# Altium PCB 4层.PcbDoc (part 1 of 2) (continued)
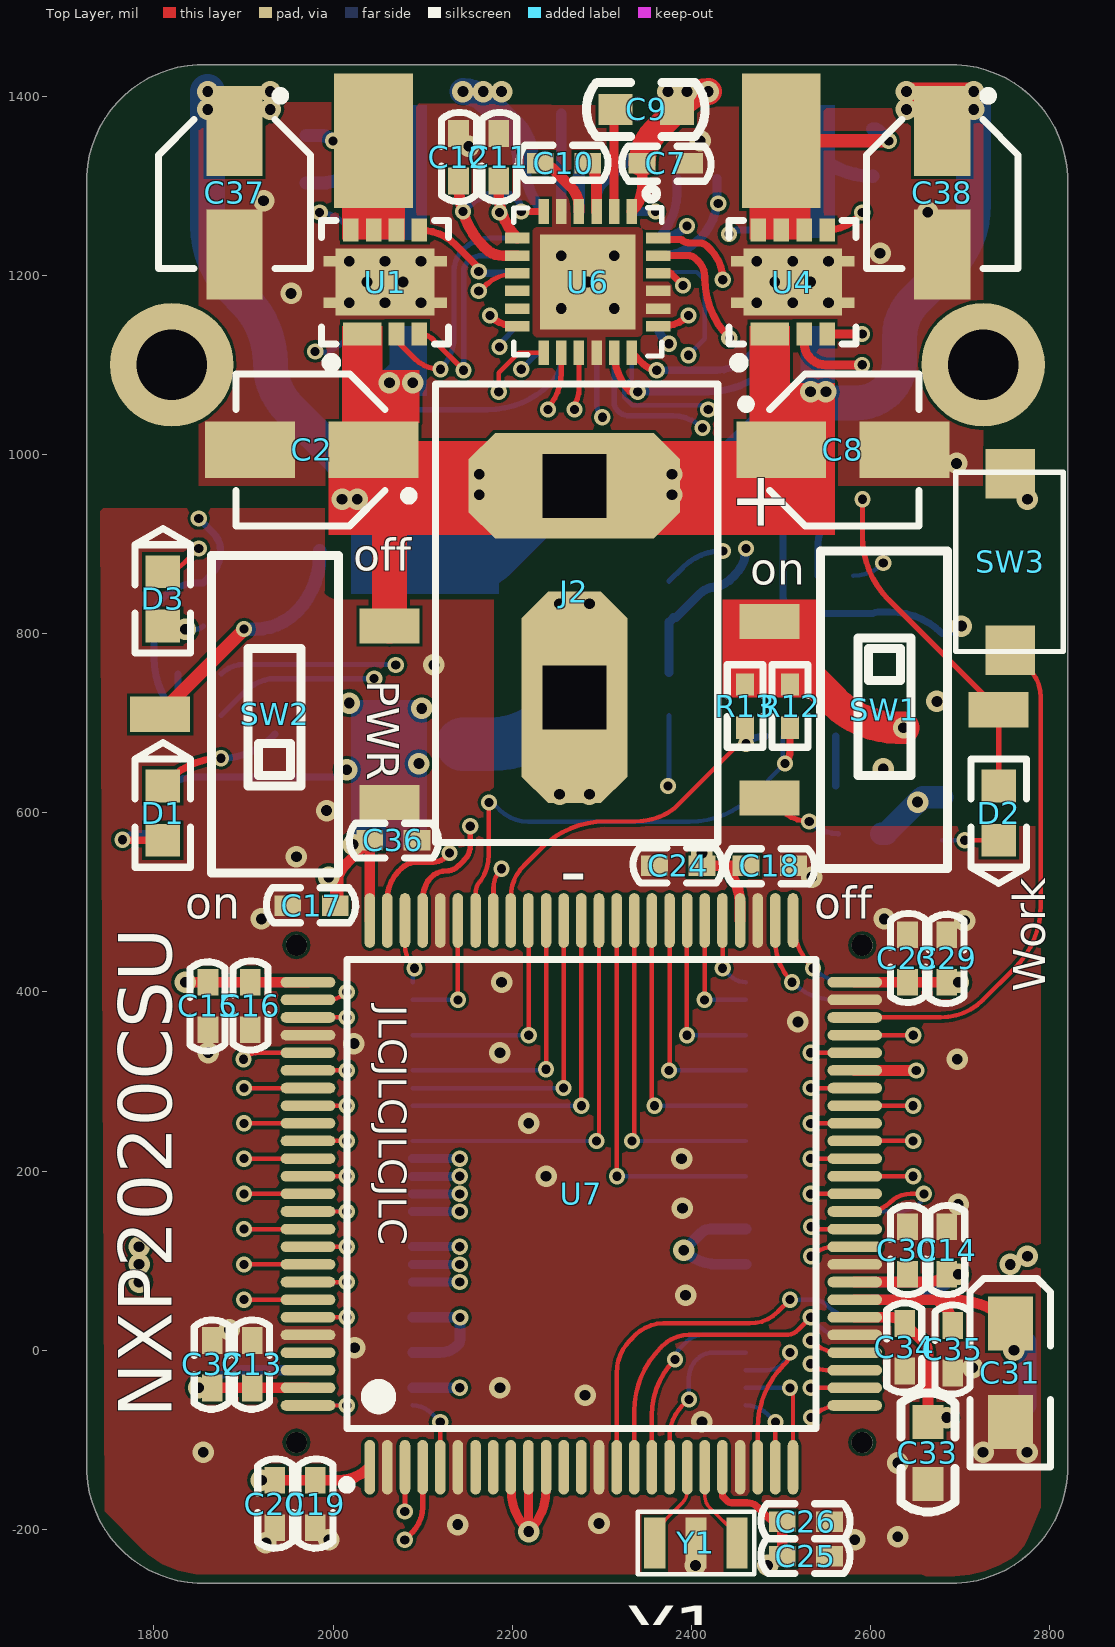
[diagram p0: Top Layer view]
## Components (designator, comment, footprint, x,y, rotation, side; value= is the part's Value field where it differs from the comment)
C1 "104" C0402 2165,1328.15 r0 bottom value=22pF
C2 "电解电容" "贴片电解 4*5.4" 1976.31,1005 r180 top
C3 "105" C0603 2185.73,1380 r0 bottom value=22pF
C4 "104" C0402 2333.14,1331.3 r180 bottom value=22pF
C5 "105" C0402 2383.72,1358.15 r270 bottom value=22pF
C6 "105" C0402 2428.72,1358.15 r270 bottom value=22pF
C7 "104" C0402 2395,1325 r180 top value=22pF
C8 "电解电容" "贴片电解 4*5.4" 2569.1,1005 r0 top
C9 "105" C0603 2384,1385 r180 top value=22pF
C10 "104" C0402 2234.23,1325 r0 top value=22pF
C11 "105" C0402 2185,1355 r270 top value=22pF
C12 "105" C0402 2140,1355 r270 top value=22pF
C13 "103" C0402 1910,-38.85 r90 top value=22pF
C14 "103" C0402 2685.08,135 r270 top value=22pF
C15 "104" C0402 1860.42,360.91 r90 top value=22pF
C16 "104" C0402 1907.41,407.91 r270 top value=22pF
C17 "103" C0402 1952.42,496.37 r0 top value=22pF
C18 "104" C0402 2510.85,540.81 r180 top value=22pF
C19 "104" C0402 1980,-148 r270 top value=22pF
C20 "103" C0402 1935,-148 r270 top value=22pF
C21 "104" C0402 2145,814.49 r90 bottom value=22pF
C22 "106" 3216-ce 2065,595 r0 bottom value=100pF
C23 "103" C0402 2641.14,460.91 r270 top value=22pF
C24 "104" C0402 2361.75,540.81 r0 top value=22pF
C25 "104" C0402 2504.29,-230 r0 top value=22pF
C26 "103" C0402 2504.29,-191.18 r0 top value=22pF
C29 "104" C0402 2685.08,413.91 r90 top value=22pF
C30 "104" C0402 2641.14,135 r270 top value=22pF
C31 "106" 3216-ce 2755.94,30 r90 top value=100pF
C32 "103" C0402 1865,-38.85 r90 top value=22pF
C33 "225" C0603 2663.98,-149 r90 top value=22pF
C34 "104" C0402 2638,-20 r90 top value=22pF
C35 "104" C0402 2691.79,-22.17 r90 top value=22pF
C36 "103" C0402 2090.87,569.37 r180 top value=22pF
C37 "电解电容" "贴片电解 4*5.4" 1890,1291.95 r270 top
C38 "电解电容" "贴片电解 4*5.4" 2680,1291.95 r270 top
C39 "104" C0402 1970,1305.97 r90 bottom value=22pF
C40 "104" C0402 2602.45,1313.25 r90 bottom value=22pF
C41 "2.2nF" C0402 2564.07,630 r0 bottom value=22pF
C42 "104" C0402 2680,750 r90 bottom value=22pF
C43 "104" C0402 2551.39,928 r90 bottom value=22pF
C44 "103" C0402 2500.2,928 r90 bottom value=22pF
D1 "LED" "LED 0603G" 1810,599.68 r270 top
D2 "LED" "LED 0603G" 2742.94,599.68 r90 top
D3 "LED" "LED 0603G" 1810,838.74 r270 top
J1 "PIN-50" 50PDF12-0.5ĸ 2018.04,174.68 r270 bottom
J2 "干电池" T接头 2269.38,728.78 r180 top
J3 "PIN-50" 50PDF12-0.5ĸ 2531.65,174.68 r90 bottom
R1 "1k" R0402 2611.99,576.8 r180 bottom value=150R
R2 "10K" R0402 1810,625 r270 bottom value=150R
R3 "0" R0603 2145,745.47 r270 bottom value=150R
R4 "10" R0603 2775,-61.51 r180 bottom value=150R
R5 "10" R0603 2775,79 r270 bottom value=150R
R6 "1k" R0402 2680,569.37 r90 bottom value=150R
R7 "1k" R0402 1855,808.42 r90 bottom value=150R
R8 "10k" R0402 2375,708.63 r90 bottom value=150R
R9 "10k" R0402 2375,858.53 r270 bottom value=150R
R10 "10k" R0402 1875,755 r180 bottom value=150R
R11 "10k" R0402 1875,708.63 r180 bottom value=150R
R12 "4.7k" R0402 2510,743.2 r270 top value=150R
R13 "4.7k" R0402 2460,743.2 r270 top value=150R
SW1 "K3-1235S-K1" K3-1235S-K1 2615,715 r270 top
SW2 "K3-1235S-K1" K3-1235S-K1 1935,710 r90 top
SW3 "SW" 按键微动开关2 2755,880 r90 top
U1 "CSD87330Q3D" LSON-CLIP-8 2058,1192.39 r0 top
U2 "CSD87330Q3D" LSON-CLIP-8 2058,1192.39 r180 bottom
U3 "DRV8701ERGET" VQFN-24_24PIN-L4.00-W4.00-PITCH0.50-EP-TL 2284.27,1192.36 r270 bottom
U4 "CSD87330Q3D" LSON-CLIP-8 2513,1192.39 r0 top
U5 "CSD87330Q3D" LSON-CLIP-8 2513,1192.39 r180 bottom
U6 "DRV8701ERGET" VQFN-24_24PIN-L4.00-W4.00-PITCH0.50-EP-TL 2284.27,1192.36 r270 top
U7 "LPC54606" LQFP100 2277.12,174.68 r90 top
U8 "TPS76833QDR" SOIC8-3.9MM 2010,790 r270 bottom
U9 "MPU6050" QFN-24_4x4x05P 2531.55,775 r90 bottom
Y1 "圆柱晶振" OSC-3213CSTSE800G52-R0 2405,-215 r0 top

## Footprints (in the part's own frame and the unit in brackets; to place one, negate y for a bottom-side part, rotate by r counter-clockwise, add the part's x,y. Pads: shape width x height; smd on the part's side, far side on the other; paste and mask are expansions set on the pad)
50PDF12-0.5ĸ [mil]
  rect 11.7x62.9 smd: 1(236.2,-70.8) 2(216.5,-70.8) 3(196.8,-70.8) 4(177.1,-70.8) 5(157.4,-70.8) 6(137.7,-70.8) 7(118.1,-70.8) 8(98.4,-70.8) 9(78.7,-70.8) 10(59,-70.8) 11(39.3,-70.8) 12(19.6,-70.8) 13(0,-70.8) 14(-19.6,-70.8) 15(-39.3,-70.8) 16(-59,-70.8) 17(-78.7,-70.8) 18(-98.4,-70.8) 19(-118.1,-70.8) 20(-137.7,-70.8) 21(-157.4,-70.8) 22(-177.1,-70.8) 23(-196.8,-70.8) 24(-216.5,-70.8) 25(-236.2,-70.8) 26(-236.2,70.8) 27(-216.5,70.8) 28(-196.8,70.8) 29(-177.1,70.8) 30(-157.4,70.8) 31(-137.7,70.8) 32(-118.1,70.8) 33(-98.4,70.8) 34(-78.7,70.8) 35(-59,70.8) 36(-39.3,70.8) 37(-19.6,70.8) 38(0,70.8) 39(19.6,70.8) 40(39.3,70.8) 41(59,70.8) 42(78.7,70.8) 43(98.4,70.8) 44(118.1,70.8) 45(137.7,70.8) 46(157.4,70.8) 47(177.1,70.8) 48(196.8,70.8) 49(216.5,70.8) 50(236.2,70.8)
  rect 31.4x70.7 smd: ""(-305.1,-0.1) ""(305.1,-0.1)
  round 23.6 hole 23.6: ""(-277.5,58.9) ""(277.5,58.9)
  silkscreen extent -291,-75 292,75
3216-ce [mil]
  rect 60x50 smd: 1(0,0) 2(-110,0)
  silkscreen extent -160,-45 50,45, body extent -122,-31 12,35, height 67
C0402 [mil]
  rect 30x23 smd: 1(-3,0) 2(50,0)
  silkscreen extent -27,-19 73,20, body extent 2,-10 42,10, height 20
C0603 [mil]
  rect 38x35 smd: 1(0,0) 2(69,0)
  silkscreen extent -31,-30 101,30, body extent 4,-16 67,16, height 12
K3-1235S-K1 [mm]
  rect 1x1.7 smd: 1(-2.5,-3.25) 2(-0.002,3.25) 3(2.5,-3.25)
  silkscreen extent -4.5,-1.8 4.5,1.8
"LED 0603G" [mm] "绿色0603LED"
  rect 0.93x0.98 smd: A(0.77,0) K(-0.77,0)
  silkscreen extent -2,-0.79 1.53,0.79, body extent -0.8,-0.4 0.8,0.4, height 0.61
LQFP100 [mm] "100-pin low-profile quad flat"
  oval 1.55x0.3 smd: 1(-7.75,6) 2(-7.75,5.5) 3(-7.75,5) 4(-7.75,4.5) 5(-7.75,4) 6(-7.75,3.5) 7(-7.75,3) 8(-7.75,2.5) 9(-7.75,2) 10(-7.75,1.5) 11(-7.75,1) 12(-7.75,0.5) 13(-7.75,0) 14(-7.75,-0.5) 15(-7.75,-1) 16(-7.75,-1.5) 17(-7.75,-2) 18(-7.75,-2.5) 19(-7.75,-3) 20(-7.75,-3.5) 21(-7.75,-4) 22(-7.75,-4.5) 23(-7.75,-5) 24(-7.75,-5.5) 25(-7.75,-6) 51(7.75,-6) 52(7.75,-5.5) 53(7.75,-5) 54(7.75,-4.5) 55(7.75,-4) 56(7.75,-3.5) 57(7.75,-3) 58(7.75,-2.5) 59(7.75,-2) 60(7.75,-1.5) 61(7.75,-1) 62(7.75,-0.5) 63(7.75,0) 64(7.75,0.5) 65(7.75,1) 66(7.75,1.5) 67(7.75,2) 68(7.75,2.5) 69(7.75,3) 70(7.75,3.5) 71(7.75,4) 72(7.75,4.5) 73(7.75,5) 74(7.75,5.5) 75(7.75,6)
  oval 0.3x1.55 smd: 26(-6,-7.75) 27(-5.5,-7.75) 28(-5,-7.75) 29(-4.5,-7.75) 30(-4,-7.75) 31(-3.5,-7.75) 32(-3,-7.75) 33(-2.5,-7.75) 34(-2,-7.75) 35(-1.5,-7.75) 36(-1,-7.75) 37(-0.5,-7.75) 38(0,-7.75) 39(0.5,-7.75) 40(1,-7.75) 41(1.5,-7.75) 42(2,-7.75) 43(2.5,-7.75) 44(3,-7.75) 45(3.5,-7.75) 46(4,-7.75) 47(4.5,-7.75) 48(5,-7.75) 49(5.5,-7.75) 50(6,-7.75) 76(6,7.75) 77(5.5,7.75) 78(5,7.75) 79(4.5,7.75) 80(4,7.75) 81(3.5,7.75) 82(3,7.75) 83(2.5,7.75) 84(2,7.75) 85(1.5,7.75) 86(1,7.75) 87(0.5,7.75) 88(0,7.75) 89(-0.5,7.75) 90(-1,7.75) 91(-1.5,7.75) 92(-2,7.75) 93(-2.5,7.75) 94(-3,7.75) 95(-3.5,7.75) 96(-4,7.75) 97(-4.5,7.75) 98(-5,7.75) 99(-5.5,7.75) 100(-6,7.75)
  silkscreen extent -8.37,-6.65 6.65,6.77, body extent -8,-8 8,8, height 1.6
LSON-CLIP-8 [mm] "半桥NMOS"
  rect 1.09x0.65 smd: 1(-0.65,-1.475)
  rect 0.44x0.65 smd: 3(0.325,-1.475) 4(0.975,-1.475) 5(0.975,1.475) 6(0.325,1.475) 7(-0.325,1.475) 8(-0.975,1.475)
  rect 3.5x0.3 smd: 9(0,-0.59) 9(0,0.59)
  rect 2.8x1.9 smd: 9(0,0)
  silkscreen extent -1.8,-2.41 1.8,1.75, body extent -1.7,-1.7 1.7,1.7, height 1.6
OSC-3213CSTSE800G52-R0 [mm]
  rect 0.6x1.45 smd: 1(-1.168,0) 2(1.168,0) 3(0,0)
  silkscreen extent -1.65,-0.89 1.65,0.89, body extent -1.61,-0.76 1.59,0.76, height 0.7
QFN-24_4x4x05P [mm]
  oval 0.28x1.2 smd mask+0.051: 1(-1.25,-2.273) 2(-0.75,-2.273) 3(-0.25,-2.273) 4(0.25,-2.273) 5(0.75,-2.273) 6(1.25,-2.273) 13(1.25,2.273) 14(0.75,2.273) 15(0.25,2.273) 16(-0.25,2.273) 17(-0.75,2.273) 18(-1.25,2.273)
  oval 1.2x0.28 smd mask+0.051: 7(2.273,-1.25) 8(2.273,-0.75) 9(2.273,-0.25) 10(2.273,0.25) 11(2.273,0.75) 12(2.273,1.25) 19(-2.273,1.25) 20(-2.273,0.75) 21(-2.273,0.25) 22(-2.273,-0.25) 23(-2.273,-0.75) 24(-2.273,-1.25)
  silkscreen extent -2.15,-2.72 2.15,2.15, body extent -2,-2 2,2, height 0.9
R0402 [mil] "1/16W"
  rect 25x20 smd: 1(0,0) 2(48.2,0)
  silkscreen extent -22,-20 70,20, body extent 5,-10 44,10, height 14
R0603 [mil] "1/10W"
  rect 38x35 smd: 1(0,0) 2(69,0)
  silkscreen extent -30,-31 99,30, body extent 4,-16 66,16, height 18
SOIC8-3.9MM [mm]
  oval 1.6x0.6 smd: 1(-2.6,1.905) 2(-2.6,0.635) 3(-2.6,-0.635) 4(-2.6,-1.905) 5(2.6,-1.905) 6(2.6,-0.635) 7(2.6,0.635) 8(2.6,1.905)
  silkscreen extent -3.05,-2.4 1.5,2.85, body extent -3,-2.5 3,2.5, height 1.6
T接头 [mm]
  oct 6x3 hole 1.8 square: 1(0,-6)
  oct 3x6 hole 1.8 square: 2(0,0)
  silkscreen extent -4.06,-8.89 3.94,4.11
VQFN-24_24PIN-L4.00-W4.00-PITCH0.50-EP-TL [mm]
  rect 0.7x0.3 smd: 1(-2,1.25) 2(-2,0.75) 3(-2,0.25) 4(-2,-0.25) 5(-2,-0.75) 6(-2,-1.25) 13(2,-1.25) 14(2,-0.75) 15(2,-0.25) 16(2,0.25) 17(2,0.75) 18(2,1.25)
  rect 0.3x0.7 smd: 7(-1.25,-2) 8(-0.75,-2) 9(-0.25,-2) 10(0.25,-2) 11(0.75,-2) 12(1.25,-2) 19(1.25,2) 20(0.75,2) 21(0.25,2) 22(-0.25,2) 23(-0.75,2) 24(-1.25,2)
  rect 2.7x2.7 smd: 25(-0.001,-0.001)
  silkscreen extent -2.65,-2.1 2.1,2.1
按键微动开关2 [mm]
  rect 1.4x1.4 smd: 1(-2.5,-0.024) 2(2.5,-0.024)
  silkscreen extent -2.54,-1.52 2.54,1.52, body extent -2.5,-1.52 2.5,1.48, height 2.1
"贴片电解 4*5.4" [mm] "贴片电解 4*5.4"
  rect 2.55x1.6 smd: 1(-1.75,0) 2(1.75,0)
  silkscreen extent -2.88,-2.15 2.15,2.15

## Part data
C1 C3 C4 C5 C6 C7 C9 C10 C11 C12 C13 C14 C15 C16 C17 C18 C19 C20 C21 C23 C24 C25 C26 C29 C30 C32 C33 C34 C35 C36 C39 C40 C41 C42 C43 C44: library part 电容, "Capacitor", LatestRevisionDate=17-Jul-2002, LatestRevisionNote="Re-released for DXP Platform.", PackageDescription="Radial Cap, Thru-Hole; 2 Leads; 0.3 in Pin Spacing", PackageReference=RAD-0.3, Published=8-Jun-2000, Publisher="Altium Limited"
C2 C8 C37 C38: "Polarized Capacitor (Axial)"
C22 C31: library part 电解电容, "Polarized Capacitor (Axial)", LatestRevisionDate=17-Jul-2002, LatestRevisionNote="Re-released for DXP Platform.", PackageDescription="Polarized Capacitor; 2 Leads", PackageReference=POLAR0.8, Published=8-Jun-2000, Publisher="Altium Limited"
J2: "Battery"
R1 R2 R3 R4 R5 R6 R7 R8 R9 R10 R11 R12 R13: library part 电阻, "Resistor", LatestRevisionDate=17-Jul-2002, LatestRevisionNote="Re-released for DXP Platform.", PackageDescription="Axial Device, Thru-Hole; 2 Leads; 0.3 in Pin Spacing", PackageReference=AXIAL-0.3, Published=8-Jun-2000, Publisher="Altium Limited"
SW1 SW2: library part 单刀双掷, "Switch"
SW3: library part Switch, "Single-Pole, Single-Throw Switch"
U1 U2 U4 U5: "半桥NMOS"
U3 U6: library part DRV8701, "H桥驱动", BOM_Manufacturer=TI, BOM_Manufacturer Part=DRV8701ERGET, BOM_Supplier=LCSC, BOM_Supplier Part=C132049, Contributor=LCSC, spicePre=U
U7: library part LPC54606BD100
U8: BOM_LCSC Assembly=Yes, BOM_Manufacturer=TI, BOM_Manufacturer Part=TPS76833QDR, BOM_Supplier=LCSC, BOM_Supplier Part=C16002, image=//image.lceda.cn/szlcsc/C16002.jpg, SMT Type=Extend, spicePre=U, spiceSymbolName=TPS76833QDR
Y1: library part XTAL_3Pin

## Free pads (board coordinates)
  round 137.8 hole 78.74: 0(1820,1100) 0(2725.49,1100)
  rect 88x150 smd: *(2045.2,1350) *(2500.2,1350)
  rect 88x150 smd far side: *(2070.8,1350) *(2525.8,1350)
  rect 66x66 smd far side: *(2531.55,775)

## Via types
v1: diameter 24, hole 12, Top Layer to Bottom Layer, tented both sides, 137 vias
v2: diameter 18.11, hole 10.24, Top Layer to Bottom Layer, tented both sides, 122 vias
v3: diameter 17.72, hole 10.24, Top Layer to Bottom Layer, tented both sides, 4 vias

## Nets (pads, with @x,y where several pads share a name; then routed paths per layer and width w, separated by ;. In a path a pad name is that pad's centre, name@x,y a point inside that pad or via, vN(x,y) a via of type N, cw(c..) or ccw(c..) an arc to the next point about the centre after c; other vN are vias at no path point)
\RST: SW3.1 U7.48 | length 573.4
  Top Layer w5: U7.48@2582.24,371.54 2677.97,371.54 ccw(c2677.97,438.74) 2725.49,391.22 2760.71,426.44 ccw(c2690,497.15) 2790,497.15 2790,728.78 ccw(c2744.76,728.78) 2776.75,760.77 SW3.1@2755.94,781.57
\SLEEP: D2.A SW1.2 U3.13 U6.13 | length 1063.5
  Top Layer w5: v2(2185,1070) 2185,1091.29 2207.33,1113.62 U6.13@2235.05,1113.62
  Top Layer w6: v2(2590.86,950) 2590.86,908.56 ccw(c2690.86,908.56) 2620.15,837.85 SW1.2@2742.94,715.06 D2.A@2742.94,630
  POW w5: v2(2185,1070) 2305,1070 2325,1050 v2(2418.83,1050) 2449.44,1050 cw(c2449.44,950) 2520.15,1020.71 v2(2590.86,950)
  Bottom Layer w5: U3.13@2333.48,1113.62 2333.48,1084.77 2324.94,1076.24 2324.94,1063.76 2333.76,1054.94 2413.88,1054.94 v2(2418.83,1050)
A0: J1.43 U7.93 | length 111.3
  Top Layer w5: U7.93@1972.01,76.26 v2(2015.27,76.26)
  Bottom Layer w5: J1.43@1947.24,76.28 v2@2015.24,76.28
A1: J1.50 U7.100 | length 111.3
  Top Layer w5: U7.100@1972.01,-61.54 v2(2015.27,-61.54)
  Bottom Layer w5: J1.50@1947.24,-61.51 v2@2015.25,-61.51
A2: J1.33 U7.83 | length 111.3
  Top Layer w5: U7.83@1972.01,273.11 v2(2015.27,273.11)
  Bottom Layer w5: J1.33@1947.27,273.11 v2(2015.27,273.11)
A3: J1.35 U7.85 | length 111.3
  Top Layer w5: U7.85@1972.01,233.74 v2(2015.27,233.74)
  Bottom Layer w5: J1.35@1947.24,233.68 2015.21,233.68 v2(2015.27,233.74)
A4: J1.37 U7.87 | length 111.3
  Top Layer w5: U7.87@1972.01,194.37 v2(2015.27,194.37)
  Bottom Layer w5: J1.37@1947.24,194.28 1947.33,194.37 v2(2015.27,194.37)
A5: J1.39 U7.89 | length 111.3
  Top Layer w5: U7.89@1972.01,155 v2(2015.27,155)
  Bottom Layer w5: J1.39@1947.24,155.09 2015.18,155.09 v2(2015.27,155)
A6: J1.40 U7.90 | length 118.3
  Top Layer w5: v2(1900.48,135.39) 1971.93,135.39 U7.90@1972.01,135.31
  Bottom Layer w5: v2(1900.48,135.39) J1.40@1947.24,135.39
A7: J3.12 U7.61 | length 433.2
  Top Layer w5: U7.61@2316.49,479.8 2316.49,200.9 cw(c2307.26,200.9) 2313.79,194.37 v2(2316.99,194.37)
  Bottom Layer w5: v2(2316.99,194.37) 2460.76,194.37 J3.12@2460.85,194.28
A8: J1.19 U7.64 | length 355.5
  Top Layer w5: v2(2257.24,292.78) 2257.24,479.6 U7.64@2257.44,479.8
  Bottom Layer w5: J1.19@2088.84,292.78 v2(2257.24,292.78)
A9: J1.20 U7.65 | length 315.3
  Top Layer w5: v2(2237.75,313.8) U7.65@2237.75,479.8
  Bottom Layer w5: J1.20@2088.84,312.39 2234.33,312.39 ccw(c2234.33,317.23) v2(2237.75,313.8)
A10: J3.23 U7.23 | length 196.3
  Top Layer w5: U7.23@2473.97,-130.43 2473.97,-86.74 cw(c2573.97,-86.74) 2503.26,-16.03 2505.19,-14.1 ccw(c2493.56,-2.48) v2(2510,-2.48)
  Bottom Layer w5: J3.23@2460.85,-22.11 2484.84,-22.11 ccw(c2484.84,2.18) 2502.02,-15 2506.79,-10.23 ccw(c2499.04,-2.48) v2(2510,-2.48)
A15: J3.26 U7.26 | length 124.8
  Top Layer w5: v2(2533.53,-75) cw(c2566.04,-107.51) 2566.04,-61.54 U7.26@2582.24,-61.54
  Bottom Layer w5: v2(2533.53,-75) cw(c2566.08,-107.56) 2566.08,-61.51 J3.26@2602.45,-61.51
A16: J3.27 U7.27 | length 118.5
  Top Layer w5: v2(2533.12,-41.85) U7.27@2582.24,-41.85
  Bottom Layer w5: v2(2533.12,-41.85) 2602.41,-41.85 J3.27@2602.45,-41.82
A17: J1.24 U7.70 | length 139.1
  Top Layer w5: v2(2139.33,391.22) U7.70@2139.33,479.8
  Bottom Layer w5: J1.24@2088.84,391.18 2088.88,391.22 v2(2139.33,391.22)
A19: J1.41 U7.91 | length 111.3
  Top Layer w5: U7.91@1972.01,115.63 v2(2015.27,115.63)
  Bottom Layer w5: J1.41@1947.24,115.68 2015.21,115.68 v2(2015.27,115.63)
A21: J1.27 U7.77 | length 115.8
  Top Layer w5: U7.77@1972.01,391.22 1993.98,391.22 ccw(c1993.98,421.2) v2(2015.17,400)
  Bottom Layer w5: J1.27@1947.24,391.18 1993.89,391.18 ccw(c1993.89,421.28) v2(2015.17,400)
A22: J1.30 U7.80 | length 123.1
  Top Layer w5: v2(1900,325) cw(c1917.3,307.7) 1917.3,332.17 U7.80@1972.01,332.17
  Bottom Layer w5: v2(1900,325) cw(c1917.1,307.9) 1917.1,332.09 J1.30@1947.24,332.09
A23: J3.35 U7.35 | length 123.3
  Top Layer w5: v2(2533.53,105) cw(c2559.19,79.34) 2559.19,115.63 U7.35@2582.24,115.63
  Bottom Layer w5: v2(2533.53,105) cw(c2559.32,79.2) 2559.32,115.68 J3.35@2602.45,115.68
A24: J3.38 U7.38 | length 118.7
  Top Layer w5: v2(2533,174.68) U7.38@2582.24,174.68
  Bottom Layer w5: v2(2533,174.68) J3.38@2602.45,174.68
A25: J3.40 U7.40 | length 118.7
  Top Layer w5: v2(2533,213.99) 2582.17,213.99 U7.40@2582.24,214.06
  Bottom Layer w5: v2(2533,213.99) J3.40@2602.45,213.99
A26: J3.2 U7.56 | length 134.9
  Top Layer w5: v2(2414.66,391.22) 2414.92,391.48 U7.56@2414.92,479.8
  Bottom Layer w5: v2(2414.66,391.22) J3.2@2460.85,391.18 J3.2@2460.85,391.18
A27: J3.42 U7.42 | length 118.5
  Top Layer w5: v2(2533.08,253.39) v2(2533.08,253.39) U7.42@2582.24,253.43
  Bottom Layer w5: v2(2533.08,253.39) J3.42@2602.45,253.39
A28: J3.44 U7.44 | length 118.5
  Top Layer w5: v2(2533.08,292.78) U7.44@2582.24,292.8
  Bottom Layer w5: v2(2533.08,292.78) J3.44@2602.45,292.78
A29: J1.32 U7.82 | length 118.3
  Top Layer w5: v2(1900.48,292.78) U7.82@1972.01,292.8
  Bottom Layer w5: v2(1900.48,292.78) J1.32@1947.24,292.78
A30: J1.45 U7.95 | length 111.3
  Top Layer w5: U7.95@1972.01,36.89 v2(2015.27,36.89)
  Bottom Layer w5: J1.45@1947.24,36.99 1947.34,36.89 v2(2015.27,36.89)
A31: J3.28 U7.28 | length 122.5
  Top Layer w5: v2(2533,-15) ccw(c2550.3,2.3) 2550.3,-22.17 U7.28@2582.24,-22.17
  Bottom Layer w5: v2(2533,-15) ccw(c2550.18,2.18) 2550.18,-22.12 J3.28@2602.45,-22.11
B0: J3.29 U7.29 | length 126
  Top Layer w5: v2(2533,11.15) ccw(c2565.91,44.06) 2565.91,-2.48 U7.29@2582.24,-2.48
  Bottom Layer w5: v2(2533,11.15) ccw(c2565.75,43.9) 2565.75,-2.41 J3.29@2602.45,-2.41
B1: J3.1 U7.55 | length 84.8
  Top Layer w5: U7.55@2434.6,479.8 2434.84,479.57 v2(2434.84,426.44)
  Bottom Layer w5: v2(2434.84,426.44) 2435.37,425.91 2443,418.27 ccw(c2460.85,436.13) J3.1@2460.85,410.89
B2: J3.6 U7.58 | length 253.4
  Top Layer w5: v2(2375,312.48) ccw(c2373.68,313.8) 2375.55,313.8 U7.58@2375.55,479.8
  Bottom Layer w5: v2(2375,312.48) 2460.75,312.48 J3.6@2460.85,312.39
B3: J3.10 U7.60 | length 373.8
  Top Layer w5: v2(2333.76,233.74) ccw(c2327.94,239.57) 2336.18,239.57 U7.60@2336.18,479.8
  Bottom Layer w5: v2(2333.76,233.74) v2(2333.76,233.74) J3.10@2460.85,233.68
B6: J3.31 U7.15 | length 437
  Top Layer w5: U7.15@2316.49,-130.43 2316.49,-25.17 cw(c2368.22,-25.17) 2331.63,11.39 2337.44,17.2 cw(c2368.35,-13.71) 2368.35,30.01 2465,30.01 ccw(c2465,74.49) 2496.45,43.04 v2(2510,56.59)
  Bottom Layer w5: v2(2510,56.59) 2536.44,56.59 cw(c2536.44,36.41) 2550.7,50.68 2551.39,50 ccw(c2582.81,81.42) 2582.81,36.98 J3.31@2602.45,36.99
B7: J3.22 U7.18 | length 186.8
  Top Layer w5: U7.18@2375.55,-130.43 2375.55,-96.43 cw(c2424.89,-96.43) 2390,-61.54 2396.1,-55.44 cw(c2397.15,-56.49) v2(2397.15,-55)
  Bottom Layer w5: v2(2397.15,-55) 2397.15,-30.88 cw(c2426.35,-30.88) 2405.71,-10.23 cw(c2424.56,-29.09) 2424.56,-2.41 J3.22@2460.85,-2.41
B8: J3.36 U7.36 | length 118.9
  Top Layer w5: v2(2533.61,138) ccw(c2540.09,144.48) 2540.09,135.31 U7.36@2582.24,135.31
  Bottom Layer w5: v2(2533.61,138) ccw(c2539.92,144.31) 2539.92,135.39 J3.36@2602.45,135.39
B9: J3.39 U7.39 | length 110.3
  Top Layer w5: U7.39@2582.24,194.37 v2(2647.46,194.37)
  Bottom Layer w5: J3.39@2602.45,194.28 2602.49,194.33 2647.42,194.33 v2(2647.46,194.37)
B10: J3.41 U7.41 | length 110.3
  Top Layer w5: U7.41@2582.24,233.74 v2(2647.46,233.74)
  Bottom Layer w5: J3.41@2602.47,233.71 v2@2647.43,233.71
B11: J1.44 U7.94 | length 118.3
  Top Layer w5: v2(1900.48,56.59) U7.94@1972.01,56.57
  Bottom Layer w5: v2(1900.48,56.59) J1.44@1947.24,56.59
B12: J1.16 U7.62 | length 452.1
  Top Layer w5: v2(2294.11,233.74) ccw(c2287.6,240.25) 2296.81,240.25 U7.62@2296.81,479.8
  Bottom Layer w5: J1.16@2088.84,233.68 v2(2294.11,233.74) v2(2294.11,233.74)
B13: J1.22 U7.66 | length 257.7
  Top Layer w5: U7.66@2218.07,479.8 2218.4,479.48 v2(2218.4,351.78)
  Bottom Layer w5: J1.22@2088.84,351.78 v2(2218.4,351.78)
B14: J1.28 U7.78 | length 111.3
  Top Layer w5: U7.78@1972.01,371.54 v2(2015.27,371.54)
  Bottom Layer w5: J1.28@1947.24,371.49 2015.22,371.49 v2(2015.27,371.54)
B15: J1.34 U7.84 | length 118.3
  Top Layer w5: v2(1900.48,253.39) U7.84@1972.01,253.43 U7.84@1972.01,253.43
  Bottom Layer w5: v2(1900.48,253.39) J1.34@1947.24,253.39
B16: J1.38 U7.88 | length 118.3
  Top Layer w5: v2(1900.48,174.68) U7.88@1972.01,174.68
  Bottom Layer w5: v2(1900.48,174.68) J1.38@1947.24,174.68
B17: J3.47 U7.47 | length 110.4
  Top Layer w5: U7.47@2582.24,351.85 2647.46,351.85 v2(2647.53,351.78)
  Bottom Layer w5: J3.47@2602.45,351.78 v2(2647.53,351.78)
B18: J1.1 U7.5 | length 87.6
  Top Layer w5: U7.5@2119.64,-130.43 v2(2119.64,-80)
  Bottom Layer w5: J1.1@2088.84,-61.51 cw(c2088.84,-91.25) 2109.87,-70.22 v2(2119.64,-80)
B19: J3.30 U7.16 | length 396.7
  Top Layer w5: U7.16@2336.18,-130.43 2336.18,-67.88 cw(c2436.18,-67.88) 2365.47,2.83 2367.6,4.96 ; 2367.61,4.98 cw(c2397.15,-24.59) 2397.15,17.2 2505.19,17.2 ccw(c2505.19,36.89) 2519.11,22.97 v2(2533.12,36.99)
  Bottom Layer w5: v2(2533.12,36.99) 2533.12,36.78 2544.9,25 ccw(c2563.53,43.63) 2563.53,17.28 J3.30@2602.45,17.28
B20: J3.21 U7.17 | length 219.9
  Top Layer w5: U7.17@2355.86,-130.43 2355.86,-72.43 cw(c2443.83,-72.43) v2(2381.63,-10.23)
  Bottom Layer w5: v2(2381.63,-10.23) cw(c2398.16,-10.23) 2386.47,1.46 2395.01,10 cw(c2412.59,-7.59) 2412.59,17.28 J3.21@2460.85,17.28
B21: J3.37 U7.37 | length 148.9
  Top Layer w5: U7.37@2582.24,155 2597.22,155 ccw(c2597.22,189.14) 2621.37,165 cw(c2644.75,141.62) 2644.75,174.68 v2(2659.38,174.68)
  Bottom Layer w5: J3.37@2602.45,155.09 2632.08,155.09 ccw(c2632.08,187.83) 2655.23,164.68 ccw(c2645.22,174.68) v2(2659.38,174.68)
B22: J3.43 U7.43 | length 110.2
  Top Layer w5: U7.43@2582.24,273.11 v2(2647.46,273.11)
  Bottom Layer w5: J3.43@2602.46,273.1 v2@2647.45,273.1
B23: J3.46 U7.46 | length 118.7
  Top Layer w5: v2(2533,332.17) U7.46@2582.24,332.17
  Bottom Layer w5: v2(2533,332.17) 2533.08,332.09 J3.46@2602.45,332.09
B24: J3.4 U7.57 | length 194
  Top Layer w5: v2(2395.01,351.78) 2395.01,479.58 U7.57@2395.23,479.8
  Bottom Layer w5: v2(2395.01,351.78) J3.4@2460.85,351.78
B25: J3.8 U7.59 | length 308.6
  Top Layer w5: U7.59@2355.86,479.8 2355.86,280.09 ccw(c2365.73,280.09) v2(2358.75,273.11)
  Bottom Layer w5: v2@2359.74,273.09 J3.8@2460.85,273.09
B26: J1.18 U7.63 | length 395
  Top Layer w5: v2(2277.12,273.11) U7.63@2277.12,479.8
  Bottom Layer w5: J1.18@2088.87,273.11 v2(2277.12,273.11)
B28: J1.25 U7.73 | length 72.6
  Top Layer w5: U7.73@2080.27,479.8 2080.27,452.01 ccw(c2116.44,452.01) v2(2090.87,426.44)
  Bottom Layer w5: J1.25@2088.84,410.89 2088.84,424.41 v2(2090.87,426.44)
B29: J1.31 U7.81 | length 111.3
  Top Layer w5: U7.81@1972.01,312.48 v2(2015.27,312.48)
  Bottom Layer w5: J1.31@1947.24,312.39 2015.17,312.39 v2(2015.27,312.48)
B30: J1.36 U7.86 | length 118.3
  Top Layer w5: v2(1900.48,213.99) 1971.93,213.99 U7.86@1972.01,214.06
  Bottom Layer w5: v2(1900.48,213.99) J1.36@1947.24,213.99
B31: J1.42 U7.92 | length 118.3
  Top Layer w5: v2(1900.48,95.99) 1900.52,95.94 U7.92@1972.01,95.94
  Bottom Layer w5: v2(1900.48,95.99) J1.42@1947.24,95.99
B+: C1.2 C2.1 C3.1 C7.2 C8.1 C9.1 C21.2 C37.1 C38.1 J1.8 J1.9 J1.10 J2.1 SW2.3 U1.1 U2.1 U3.1 U4.1 U5.1 U6.1 U8.3 U8.4 | length 3314.4
  Top Layer w12: U6.1@2333.48,1271.1 ccw(c2305.67,1298.91) 2345,1298.91 C7.2@2345,1325
  Top Layer w30: C7.2@2345,1325 cw(c2395.7,1325) 2359.85,1360.85 C9.1@2384,1385 2393.52,1394.52 cw(c2418.83,1369.21) v1(2418.83,1405)
  Top Layer w39: SW2.3@2062.95,808.42 2062.95,928.57
  POW w39: v1@1785,70 1785,454.53 cw(c1885,454.53) 1814.29,525.24 1926.57,637.52 ccw(c1855.86,708.23) 1955.86,708.23 1955.86,854.44 cw(c2055.86,854.44) 1985.15,925.15 v1(2010,950)
  Bottom Layer w10: J1.8@2088.84,76.28 v2(2141.35,76.28) ; J1.9@2088.84,95.99 v2(2141.35,95.99) ; J1.10@2088.84,115.68 v2(2141.35,115.68)
  Bottom Layer w12: C1.2@2215,1328.15 2215,1319.5 ccw(c2283.45,1319.5) U3.1@2235.05,1271.1
  Bottom Layer w30: v1(2062.94,1080) 2073.95,1091.01 cw(c2083.59,1081.37) 2083.59,1095 ; v1(2145,1405) cw(c2145,1367.02) 2171.85,1393.88 C3.1@2185.73,1380 2199.03,1366.7 cw(c2160.49,1328.15) C1.2@2215,1328.15
  Bottom Layer w39: v1(1860,1405) v1(1860,1385) 1860,1254.57 ccw(c1960,1254.57) 1889.29,1183.86 1900.71,1172.44 cw(c1830,1101.73) 1930,1101.73 ccw(c2001.19,1101.73) 1950.84,1051.4 2007.95,994.29 ccw(c2078.66,1065) 2078.66,965 J2.1@2269.38,965 ; U8.4@2077.71,892.36 cw(c2077.71,797.19) C21.2@2145,864.49 ccw(c2145,922.11) 2185.75,881.37 J2.1@2269.38,965 ; 2619.62,1072.3 cw(c2583.38,1108.55) 2583.38,1057.29 2548.71,1057.29 ccw(c2548.71,957.29) 2478,1028 2444.29,994.29 cw(c2373.58,1065) 2373.58,965 J2.1@2269.38,965 ; 2619.63,1072.31 ccw(c2589.52,1102.41) 2632.1,1102.41 2632.1,1129.95 cw(c2691.65,1129.95) 2649.54,1172.06 2685.71,1208.23 ccw(c2615,1278.94) 2715,1278.94 v1(2715,1385) v1@2715,1393.88
  other v1: 1783.51,76.26 1783.51,95.99 1783.51,115.63 2027,950 2163.23,954.9 2378.24,954.9 2163.23,978 2378.24,978 2533,1070 2550.06,1070 2088.84,1080 1930,1385 2640,1385 1930,1405 2167.49,1405 2188.09,1405 2373.78,1405 2395,1405 2640,1405 2715,1405
B-: C1.1 C2.2 C5.1 C6.1 C7.1 C8.2 C11.1 C12.1 C37.2 C38.2 J1.12 J1.13 J1.14 J1.15 J2.2 R1.1 R3.2 R6.2 U1.9 U2.9 U3.5 U3.16 U3.20 U3.21 U3.25 U4.9 U5.9 U6.5 U6.16 U6.20 U6.21 U6.25 | length 427.8
  Bottom Layer w10: J1.12@2088.84,155.09 v2(2141.35,155.09) ; J1.13@2088.84,174.68 v2(2141.35,174.68) ; J1.14@2088.84,194.28 2132.4,194.28 v2@2132.44,194.33 ; J1.15@2088.84,213.99 v2(2141.35,213.99)
  Bottom Layer w25: R1.1@2611.99,576.8 2617.29,576.8 v1(2652.43,611.93) 2658.06,617.57 R6.2@2680,617.57
  Bottom Layer w60: R3.2@2145,676.47 2175.65,676.47 ccw(c2175.65,776.47) 2246.36,705.76 J2.2@2269.38,728.78
  other v1: 2252.78,620.62 2286.17,620.62 2252.78,833.4 2286.17,833.4 2695.95,990 2254.73,1162.9 2313.72,1162.89 2018,1169.16 2018,1169.16 2058,1169.16 2058,1169.16 2098,1169.16 2098,1169.16 2473,1169.16 2473,1169.16 2513,1169.16 2513,1169.16 2553,1169.16 2553,1169.16 1953.17,1179.76 2038,1192.39 2038,1192.39 2078,1192.39 2078,1192.39 2284.23,1192.39 2493,1192.39 2493,1192.39 2533,1192.39 2533,1192.39 2018,1215.62 2018,1215.62 2058,1215.62 2058,1215.62 2098,1215.62 2098,1215.62 2473,1215.62 2473,1215.62 2513,1215.62 2513,1215.62 2553,1215.62 2553,1215.62 2254.74,1221.89 2313.73,1221.88 2610.52,1224.64 2663.77,1270.44 1922.41,1283.22 2151.29,1344.01 2409.77,1350
  other v2: 2141.35,194.28
FAULT: D3.K U3.9 U6.9 | length 1334.6
  Top Layer w5: D3.K@1810,869.05 ccw(c1810,902.97) 1833.98,878.98 v2(1850,895) ; v2(2162.56,1182.52) 2165.77,1185.73 cw(c2205.53,1145.97) 2176.97,1194.41 ; v2@2166.87,1184.31 2176.97,1194.41 ; 2176.97,1194.41 cw(c2205.53,1145.97) U6.9@2205.53,1202.2 ccw(c2205.53,1145.97) 2176.97,1194.41
  POW w5: v2(1850,895) 1900.71,945.71 ccw(c1830,1016.42) 1930,1016.42 1930,1231.72 cw(c1998.28,1231.72) 1950,1280 1955.86,1285.86 cw(c1990,1251.72) 1990,1300 2045.86,1300 cw(c2045.86,1265.86) 2070,1290 2109.78,1250.22 cw(c2085.05,1225.52) 2120,1225.52 ccw(c2157.48,1225.52) 2130.98,1199.02 2143.99,1186.01 cw(c2122.36,1164.41) 2152.93,1164.41 ; v2(2162.56,1182.52) 2162.41,1182.52 2152.93,1173.04 2152.93,1164.41 ; v2(2396.57,1110.71) 2396.57,1092.31 2383.24,1078.98 2352.31,1078.98 2292.29,1139 2169.71,1139 2152.93,1155.78 2152.93,1164.41
  Bottom Layer w5: U3.9@2373.78,1202.2 U3.9@2363,1202.2 2364.42,1203.62 2406.01,1203.62 2415,1194.63 2415,1129.14 v2(2396.57,1110.71)
GND: C13.2 C14.1 C15.1 C16.2 C17.1 C18.1 C19.2 C20.2 C21.1 C22.2 C23.1 C24.1 C25.2 C26.2 C29.2 C30.1 C31.2 C32.2 C33.1 C34.1 C35.1 C36.1 C41.2 C42.1 C43.2 C44.2 J1.3 J1.5 J1.7 J1.11 J1.17 J1.21 J1.23 J1.29 J1.46 J1.47 J1.49 J3.3 J3.5 J3.7 J3.9 J3.11 J3.13 J3.14 J3.16 J3.18 J3.19 J3.20 J3.34 J3.48 pad.*@2531.55,775 R3.1 SW2.1 SW3.2 U7.2 U7.6 U7.14 U7.22 U7.30 U7.34 U7.49 U7.53 U7.71 U7.79 U7.96 U8.1 U9.1 U9.9 U9.11 U9.18 Y1.3
  other v1: 2404.5,-240 1925,-215 1995.1,-211.5 2582.34,-211.5 2630.17,-208.12 2139.05,-194.41 2296.81,-193.25 2630.17,-125.72 1855,-113.85 2725.49,-113.85 2774.6,-113.85 2411.75,-79.9 2281.31,-50.1 2186.28,-41.85 2714.05,-19.28 2024.05,2.83 1884.05,22.97 2393.42,61.48 2390,158.67 2697.65,162.86 2237.75,194.37 2388.92,213.99 2218.4,253.39 2696.79,325 1860.81,332.17 2186.28,332.17 2023.3,342.43 2518.79,366.59 2188.09,410.91 2705,479.48 1920,481.55 2615.25,481.55 2534.22,528.34 1959.14,550.87 1992.7,602.52 2614.07,649.02 2673.97,724.29 2112.64,765 2775,950